# Altium PCB PCB.PcbDoc (part 1 of 3)
Units mil, origin at the board's own origin, x right, y up, seen from the top; angles counter-clockwise.
Board outline 3148.02 x 1850.61 mil, 4 copper layers (Top Layer, Power, Signal, Bottom Layer), stack 74.892 mil thick; 183 components, 163 nets, 707 pads, 859 vias.
Unrouted connection lines stored in the file: 81.
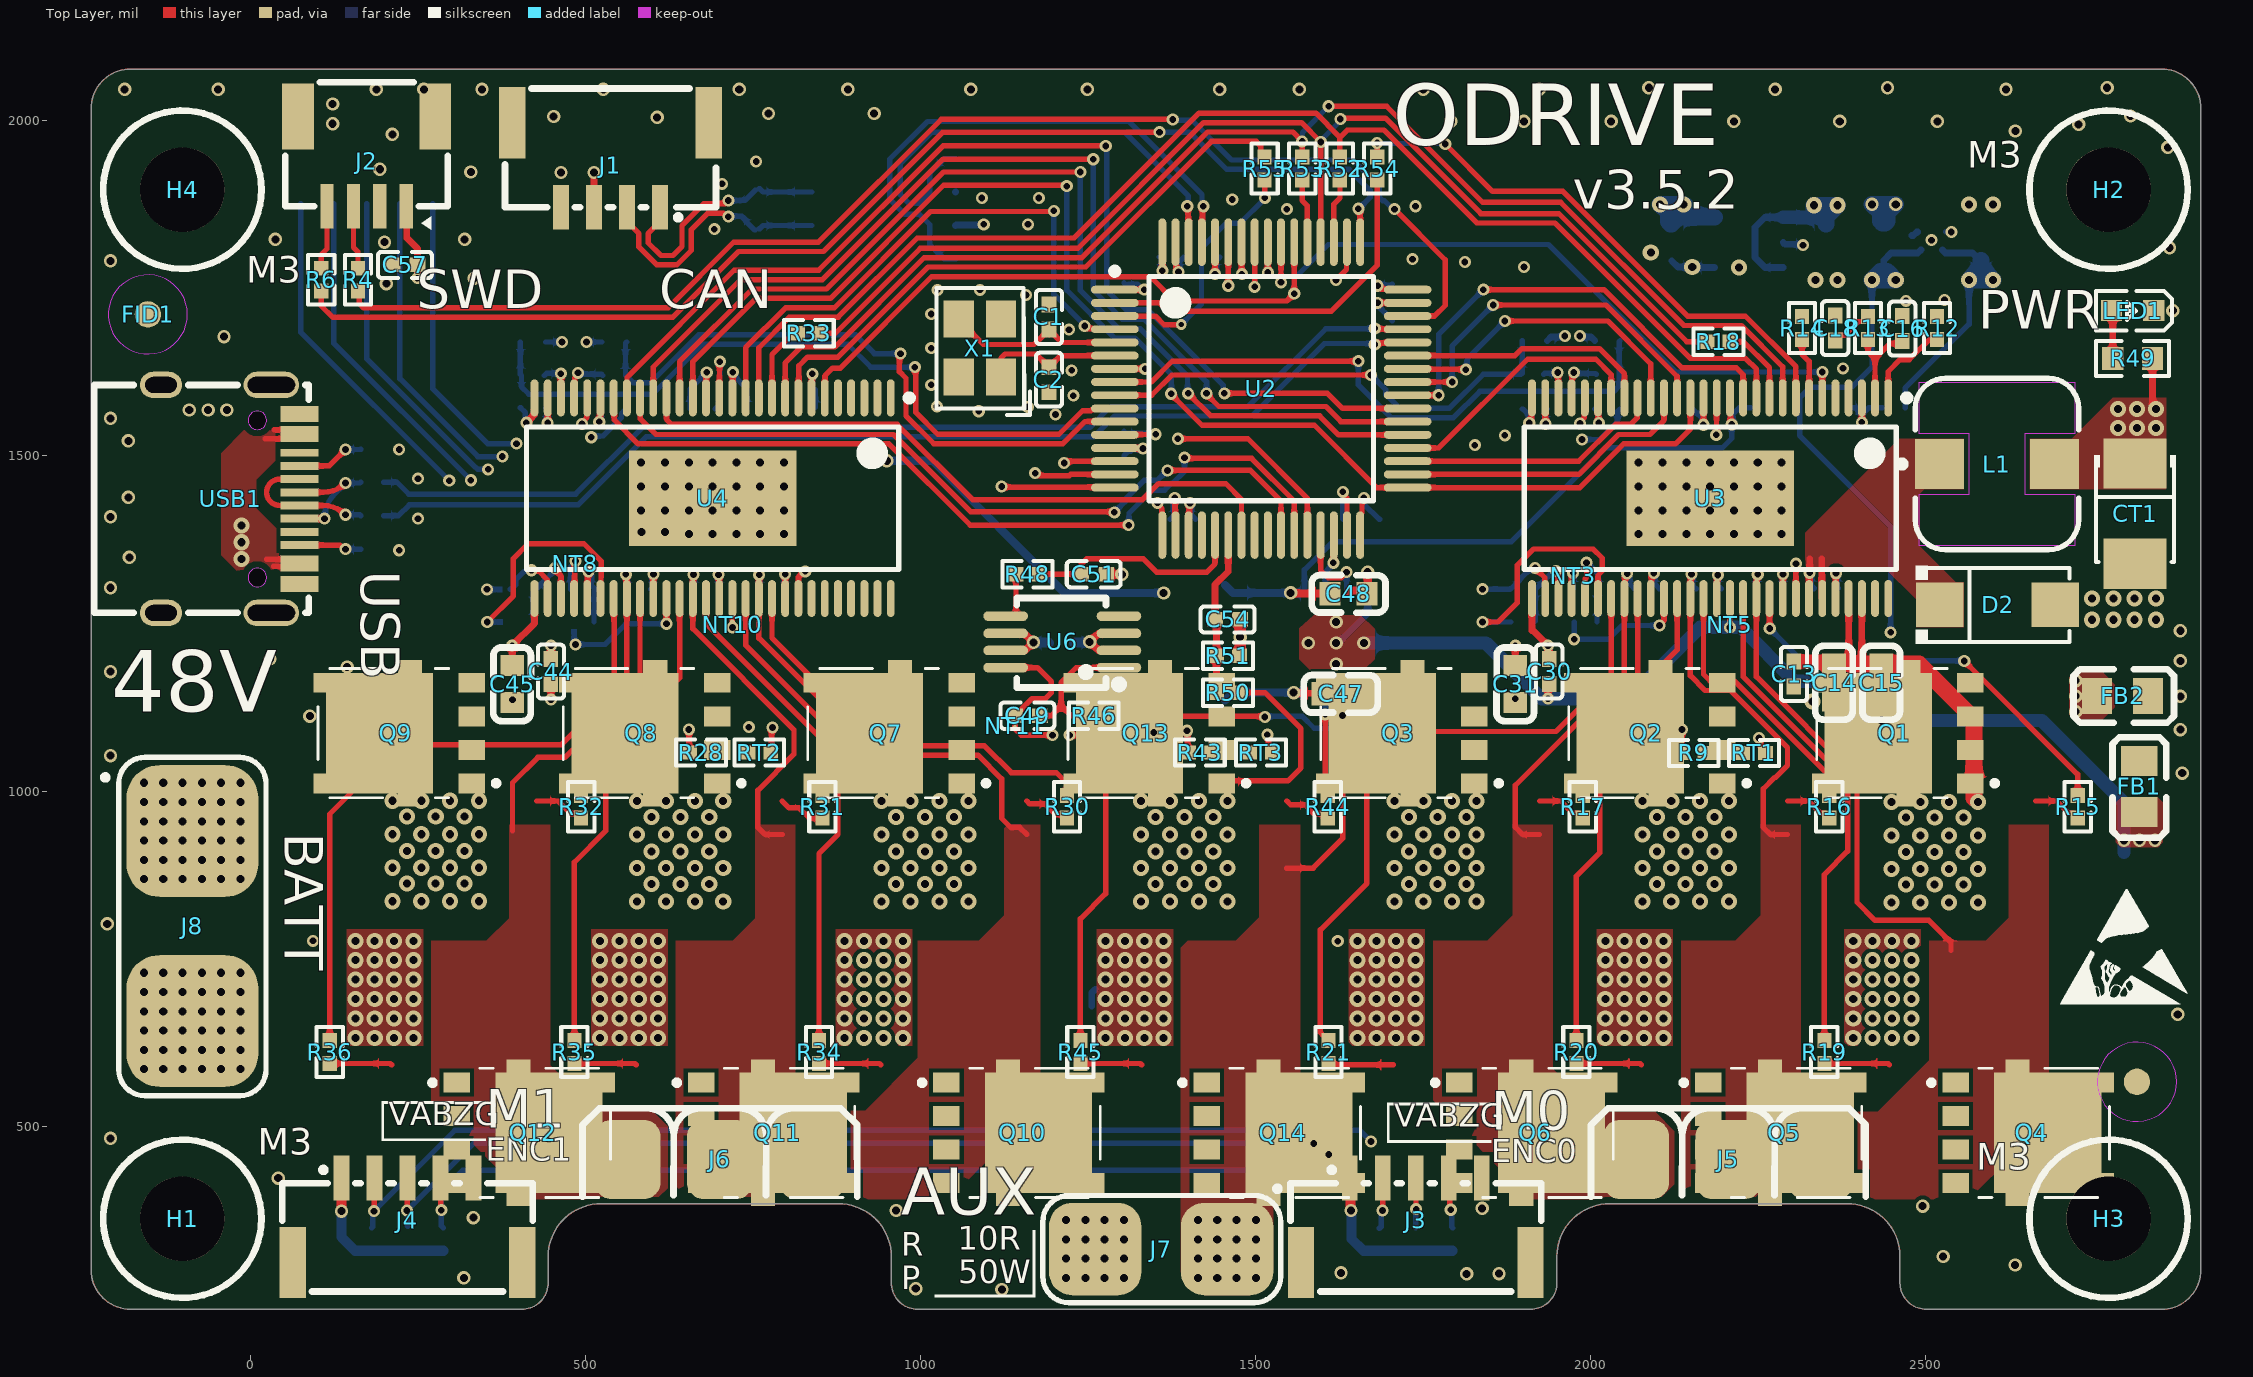
[diagram p0: Top Layer view]
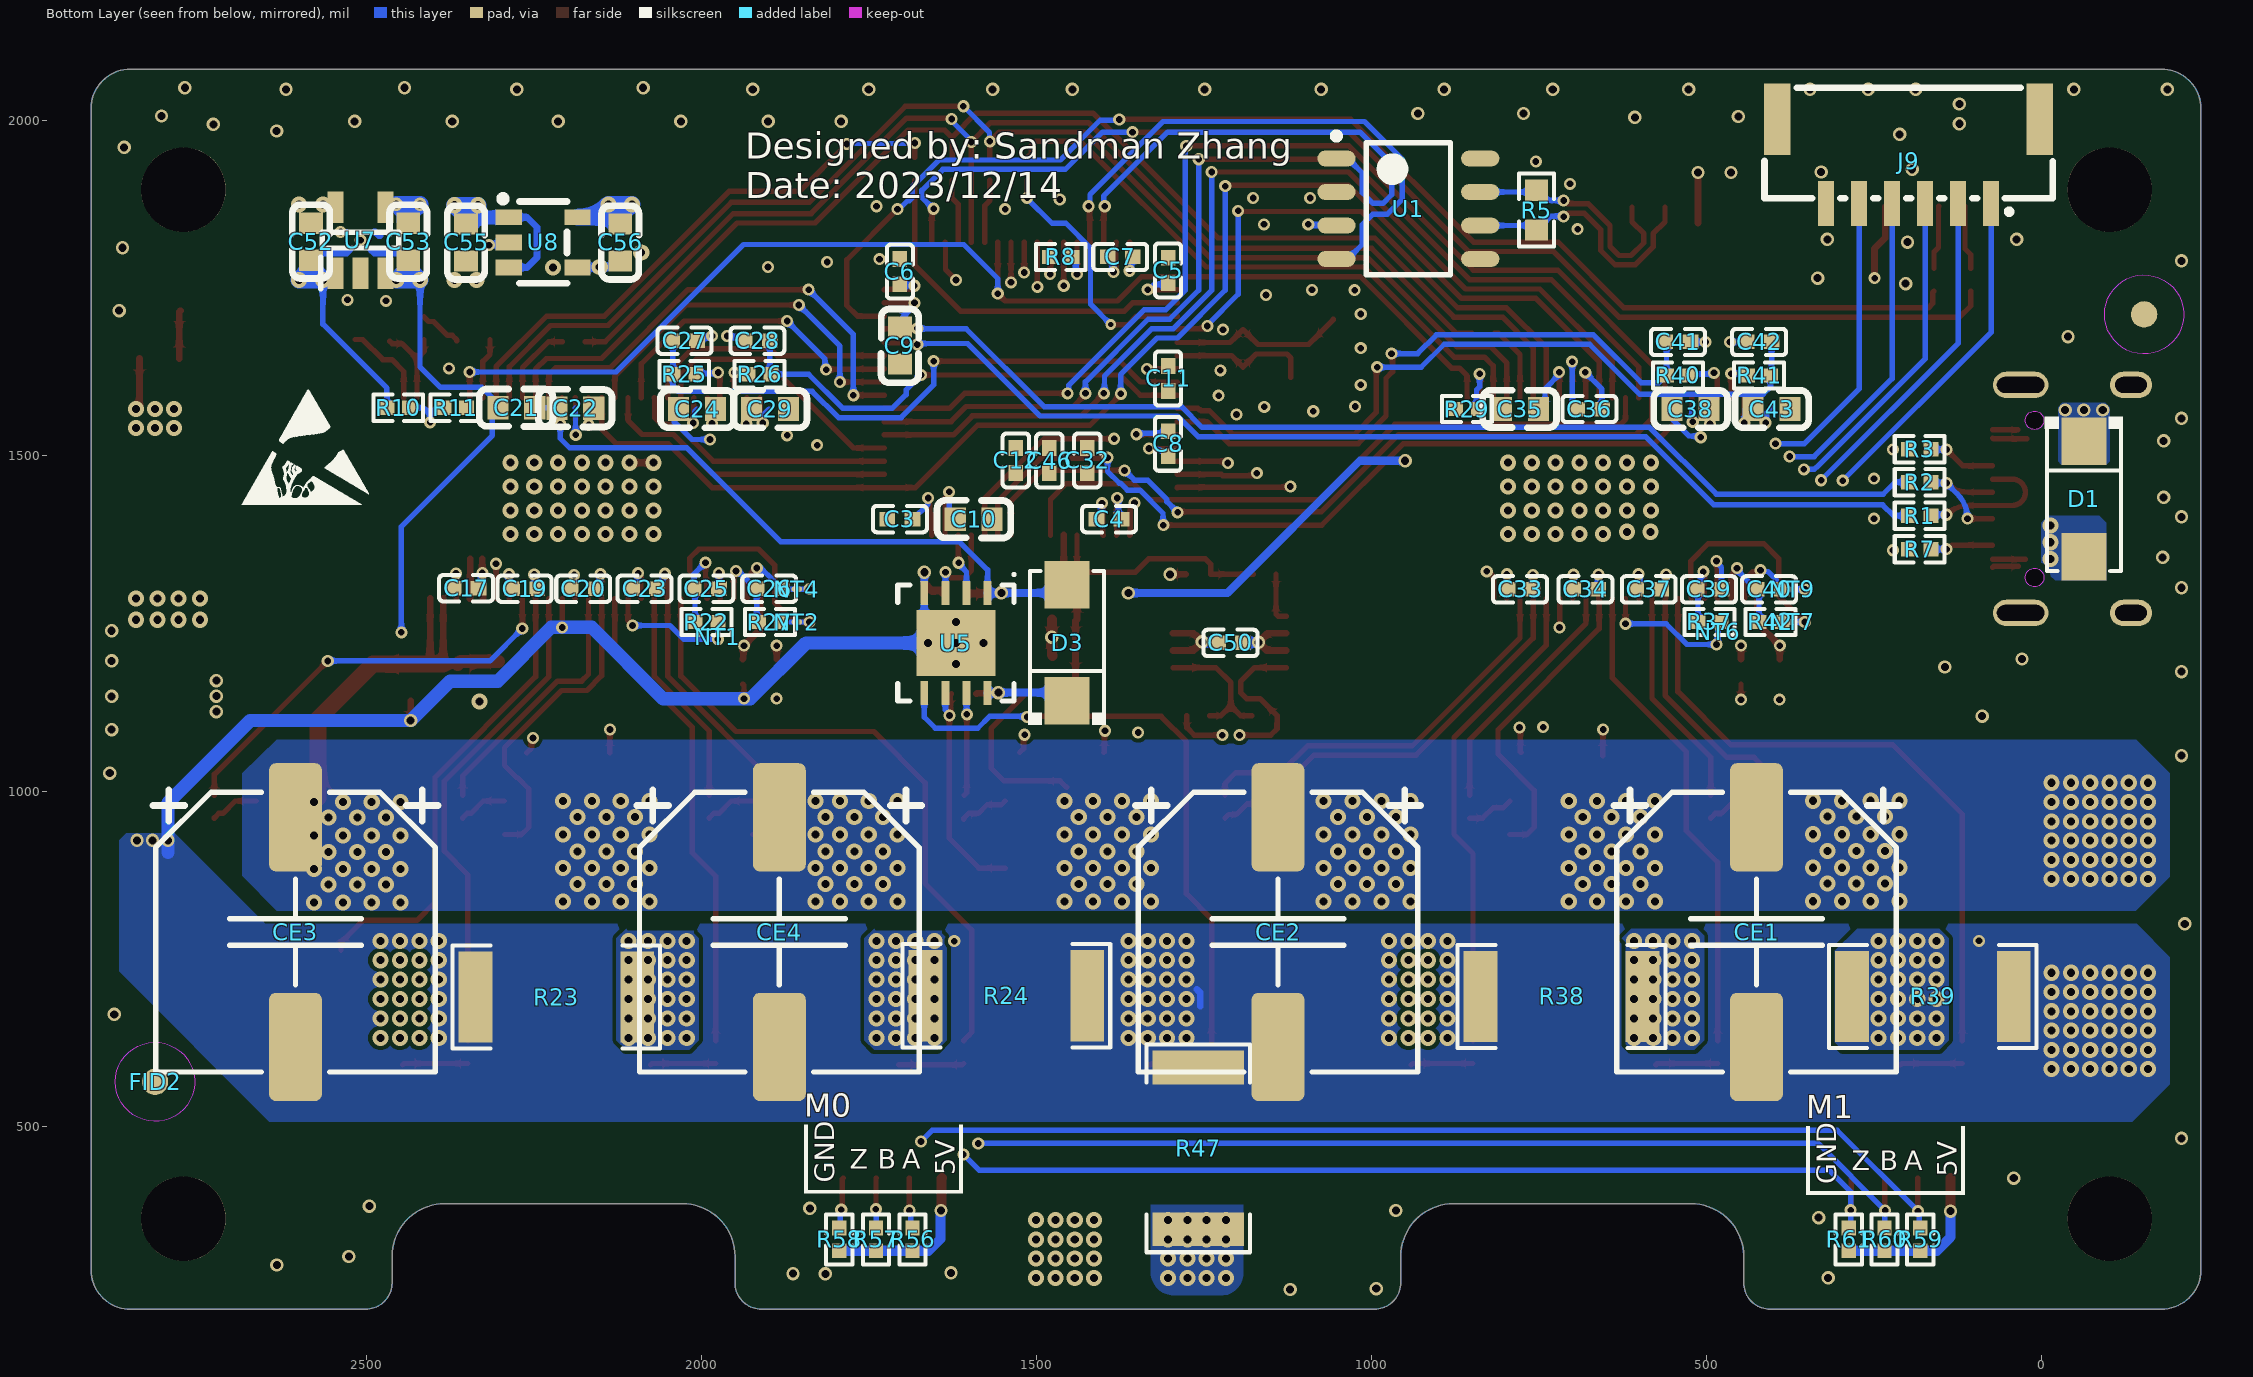
[diagram p1: Bottom Layer view, seen from below]
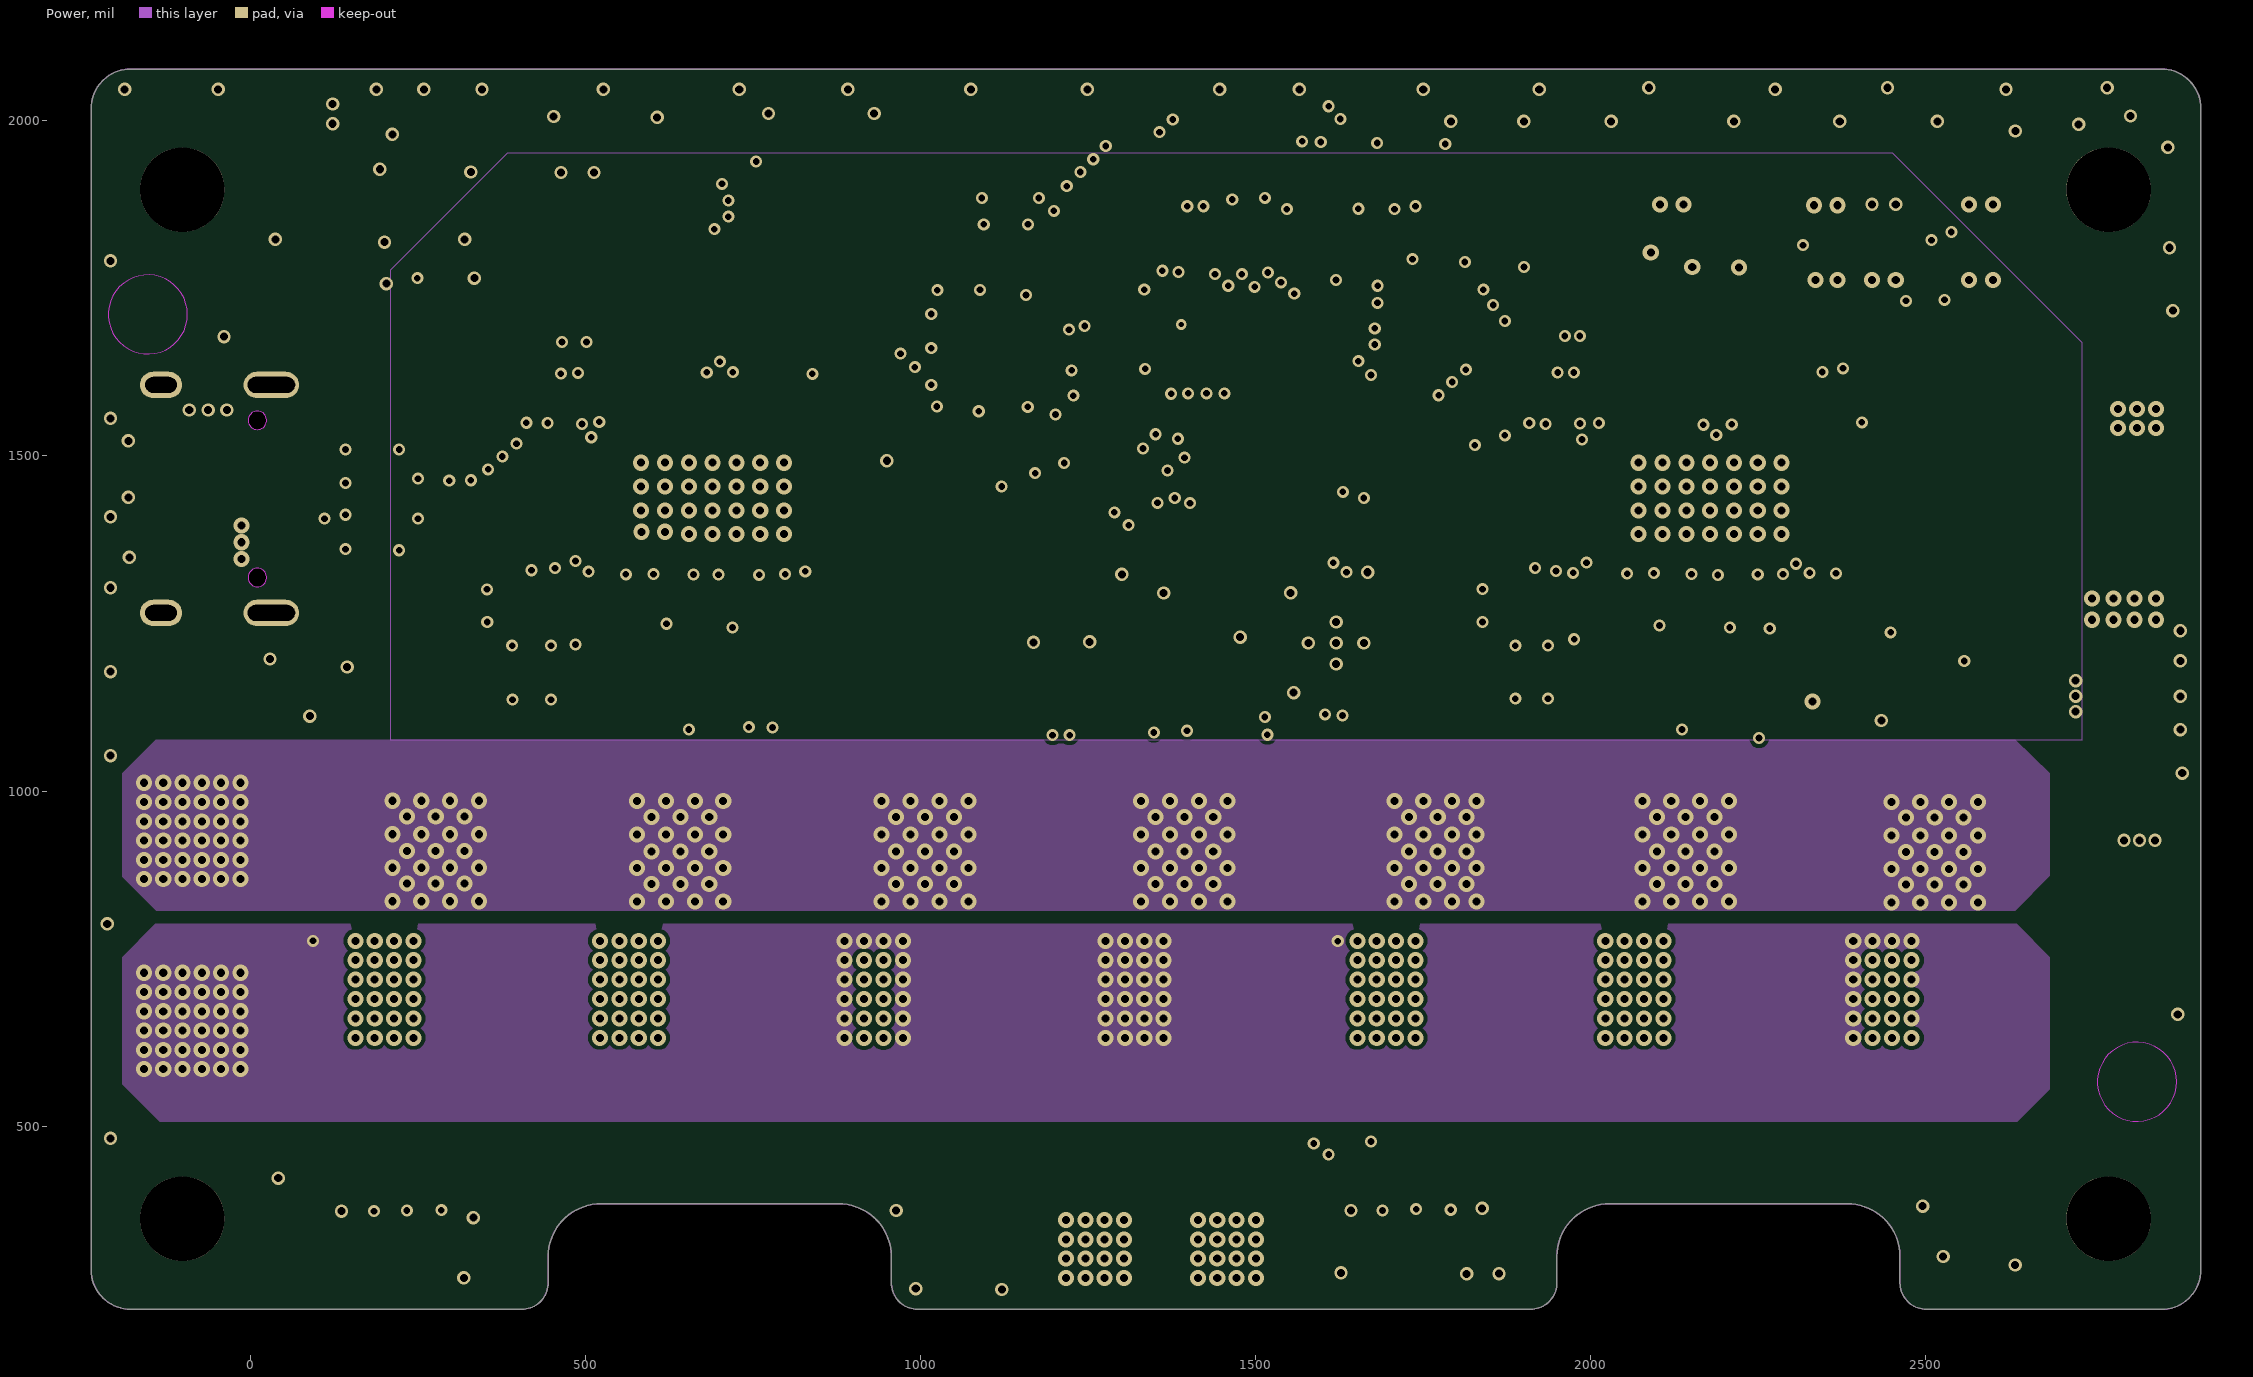
[diagram p2: Power]
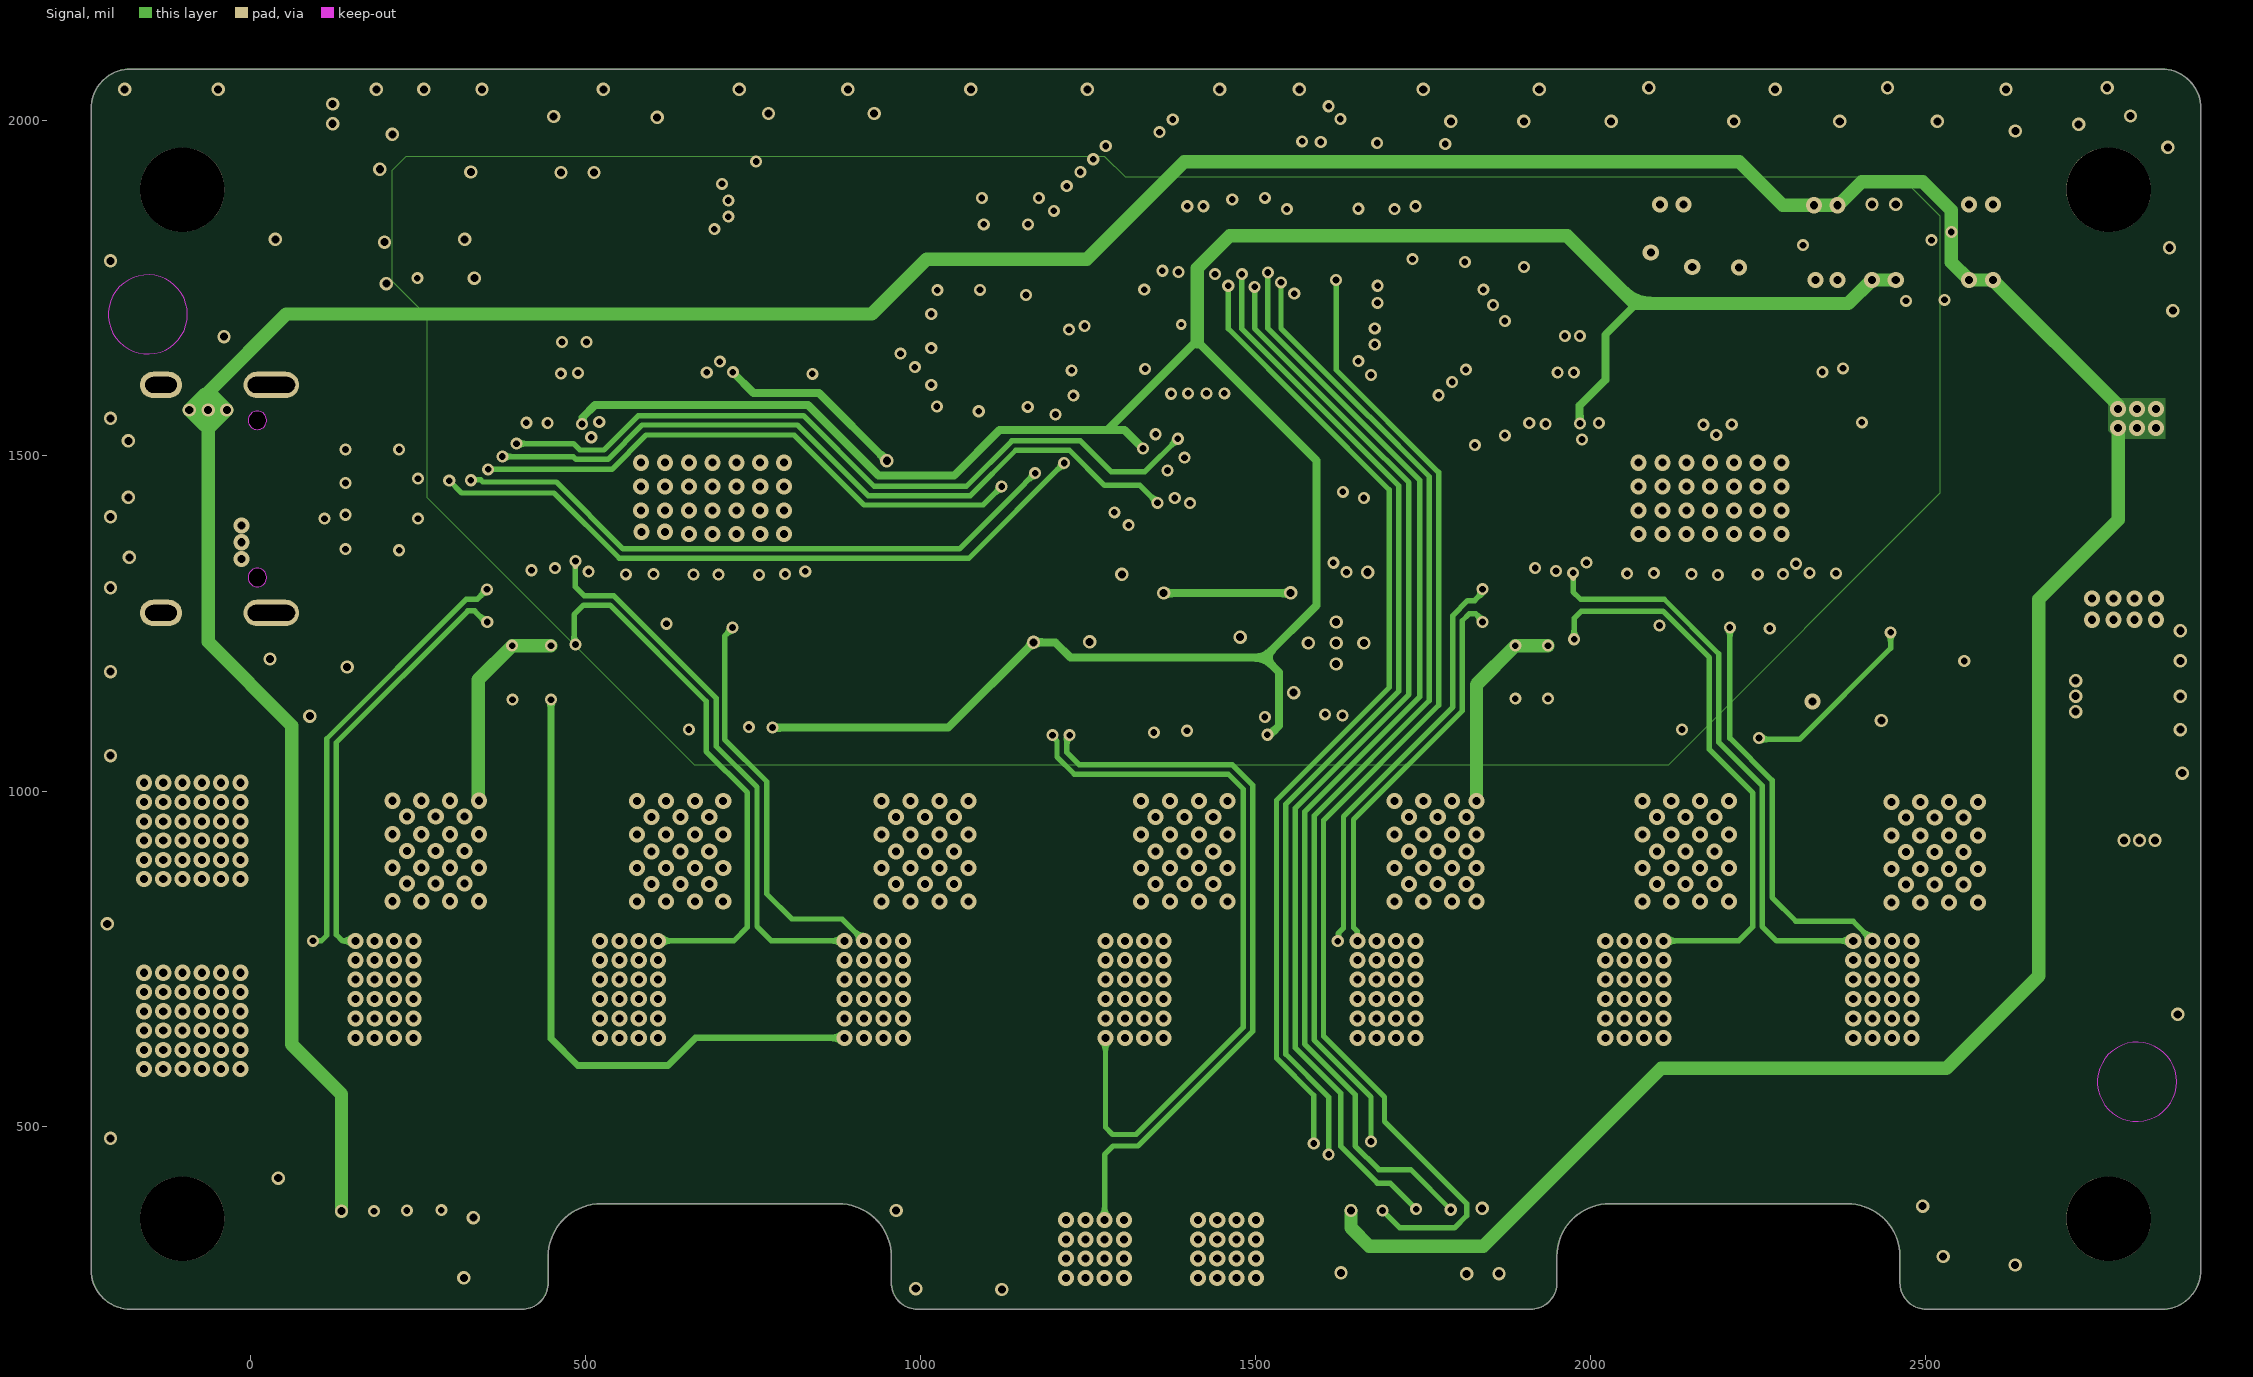
[diagram p3: Signal]
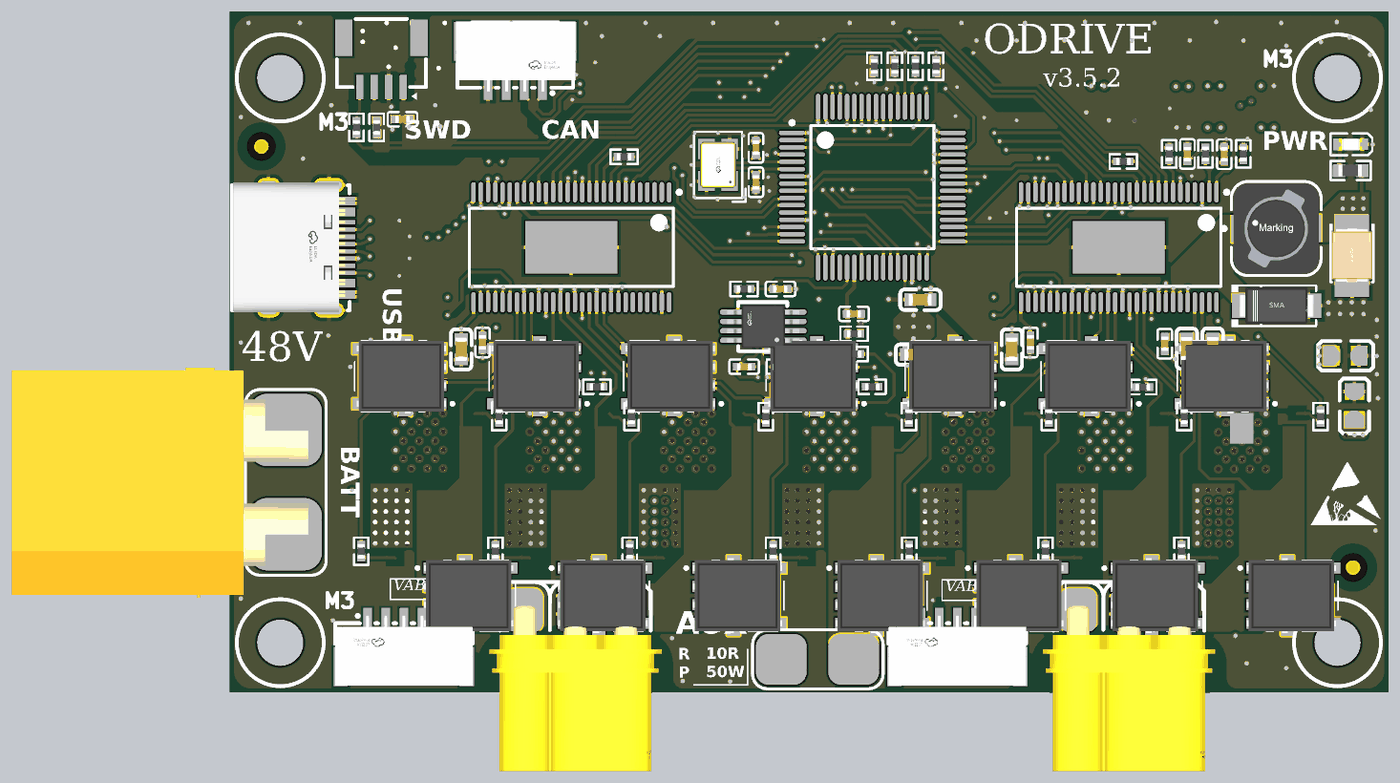
[diagram p6: 3D render of the assembled board from above, using the file's embedded part models]
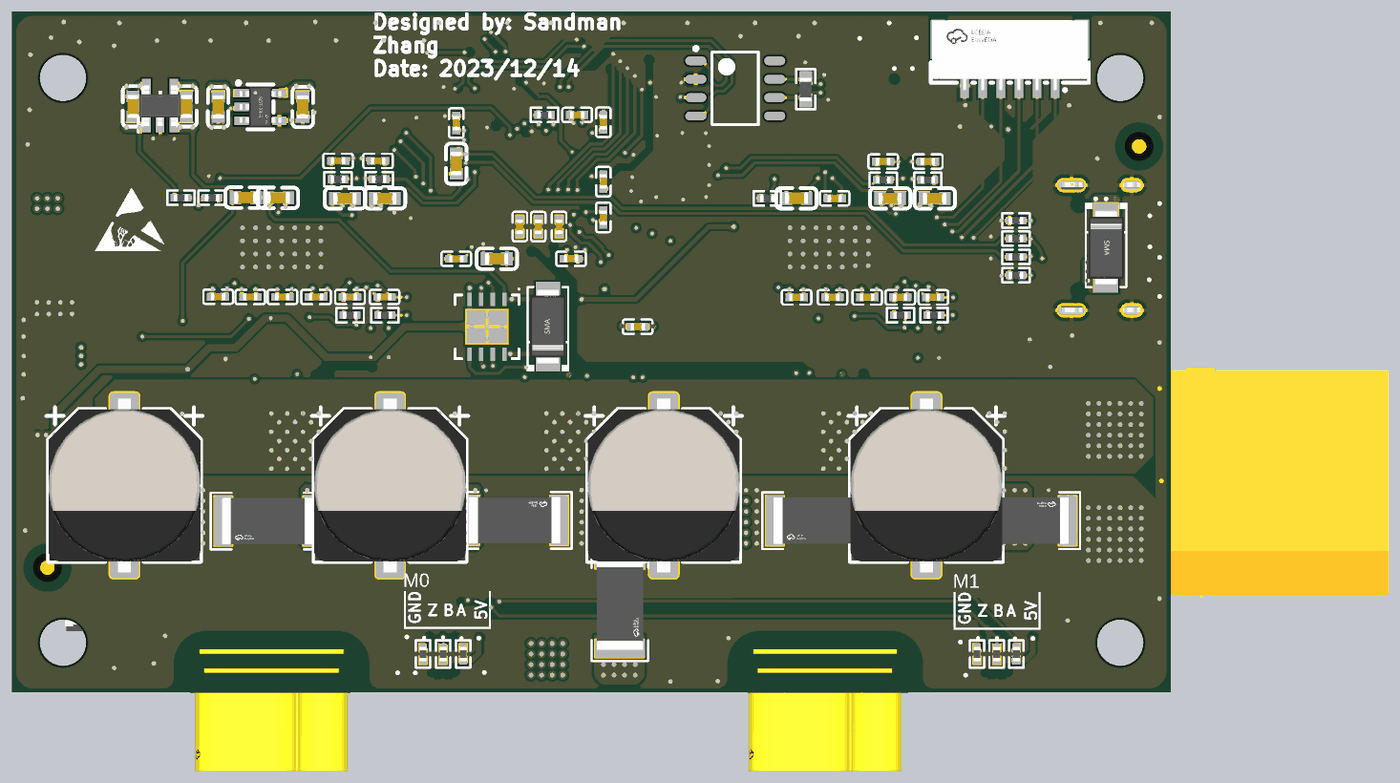
[diagram p7: 3D render of the assembled board from below, using the file's embedded part models]

## Layer stack, top to bottom
Top Solder: solder mask 0.4, Solder Resist, Dk 3.5
Top Layer: signal copper 2.756
Dielectric 1: prepreg 2.8, PP-006, Dk 4.1
Power: signal copper 1.378
Dielectric1: core 61.024, FR-4, Dk 4.8
Signal: signal copper 1.378
Dielectric 2: prepreg 2.8, PP-006, Dk 4.1
Bottom Layer: signal copper 2.756
Bottom Solder: solder mask 0.4, Solder Resist, Dk 3.5

## Board outline
-178.29,226.8 405.43,226.8 ccw(c405.43,266.17) 444.8,266.17 444.8,305.54 cw(c523.54,305.54) 523.54,384.28 877.87,384.28 cw(c877.87,305.54) 956.61,305.54 956.61,266.17 ccw(c995.98,266.17) 995.98,226.8 1557.26,226.8 1910.43,226.8 ccw(c1910.43,266.17) 1949.8,266.17 1949.8,305.54 cw(c2028.54,305.54) 2028.54,384.28 2382.87,384.28 cw(c2382.87,305.54) 2461.61,305.54 2461.61,266.17 ccw(c2500.98,266.17) 2500.98,226.8 2851.62,226.8 2851.62,226.58 ccw(c2851.62,285.64) 2910.67,285.64 2910.67,2018.14 ccw(c2851.62,2018.14) 2851.62,2077.19 -178.29,2077.19 ccw(c-178.29,2018.14) -237.35,2018.14 -237.35,285.85 ccw(c-178.29,285.85)
